# KiCad board sqrt_of_g_temp.kicad_pcb
title: √g; date: 2024-08-05; rev: 1.0.1; company: Stanford Student Space Initiative; note: RE: Flynn Dreilinger
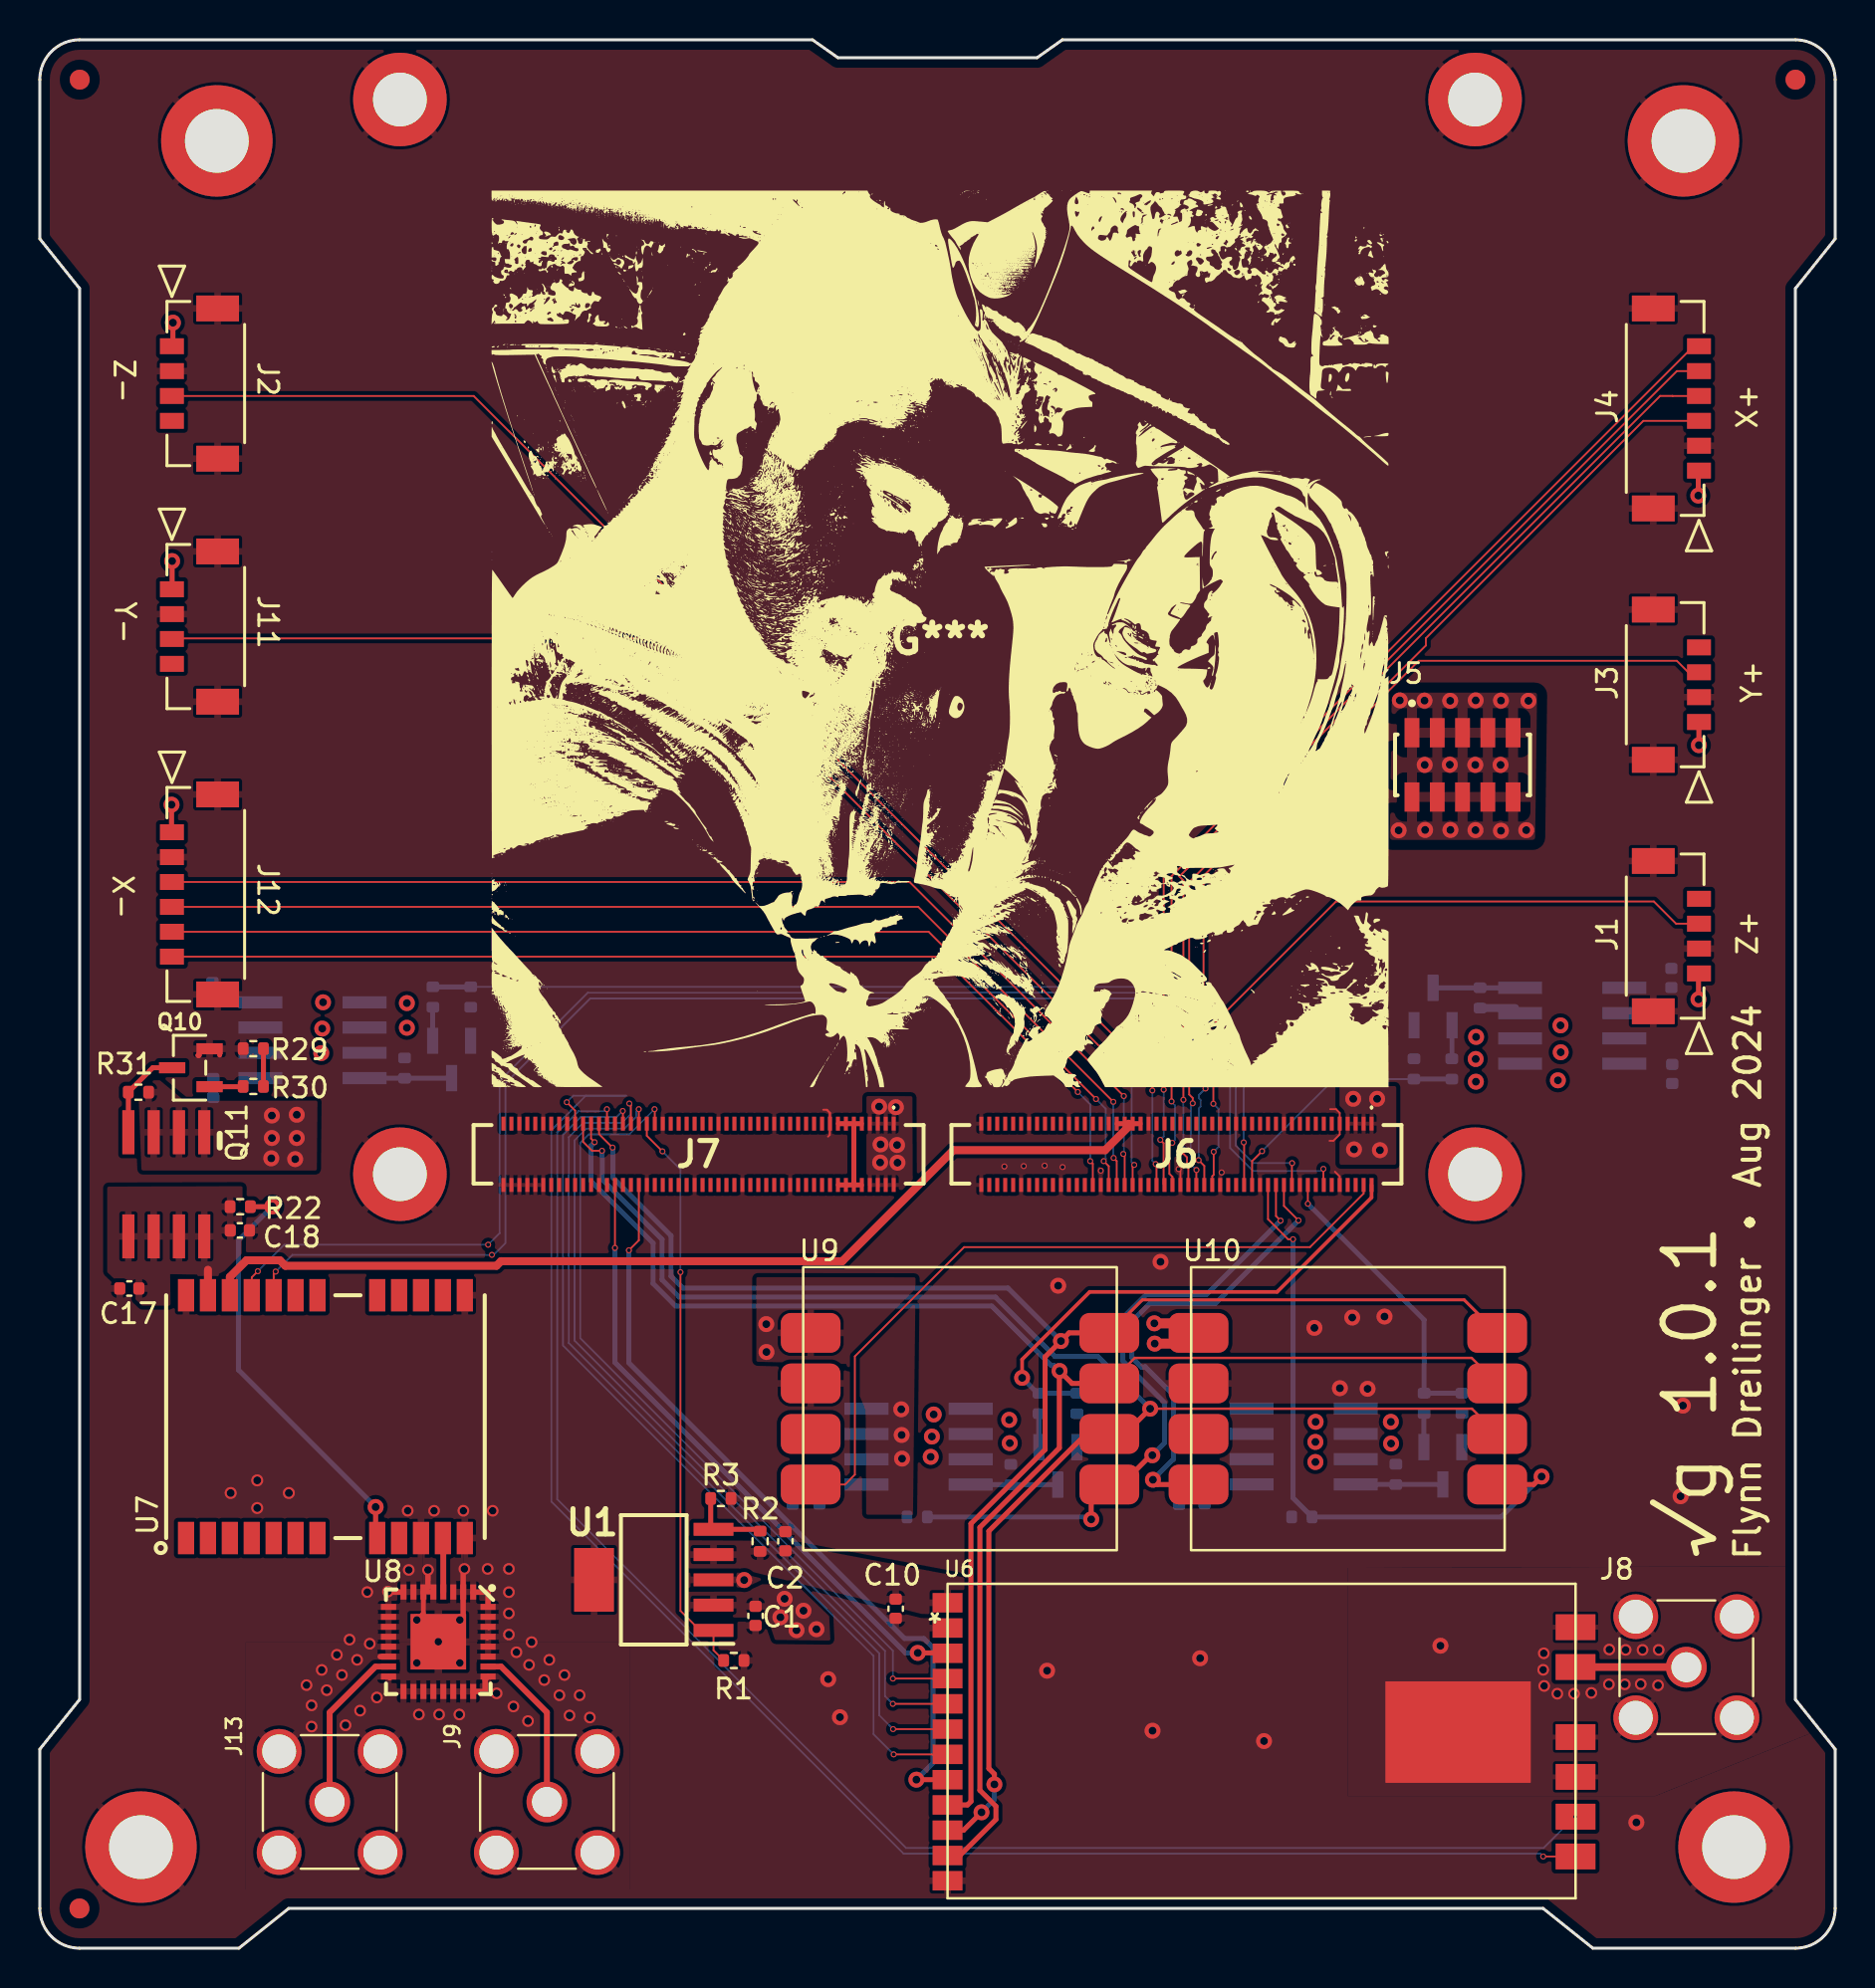
[diagram p0: board, top side]
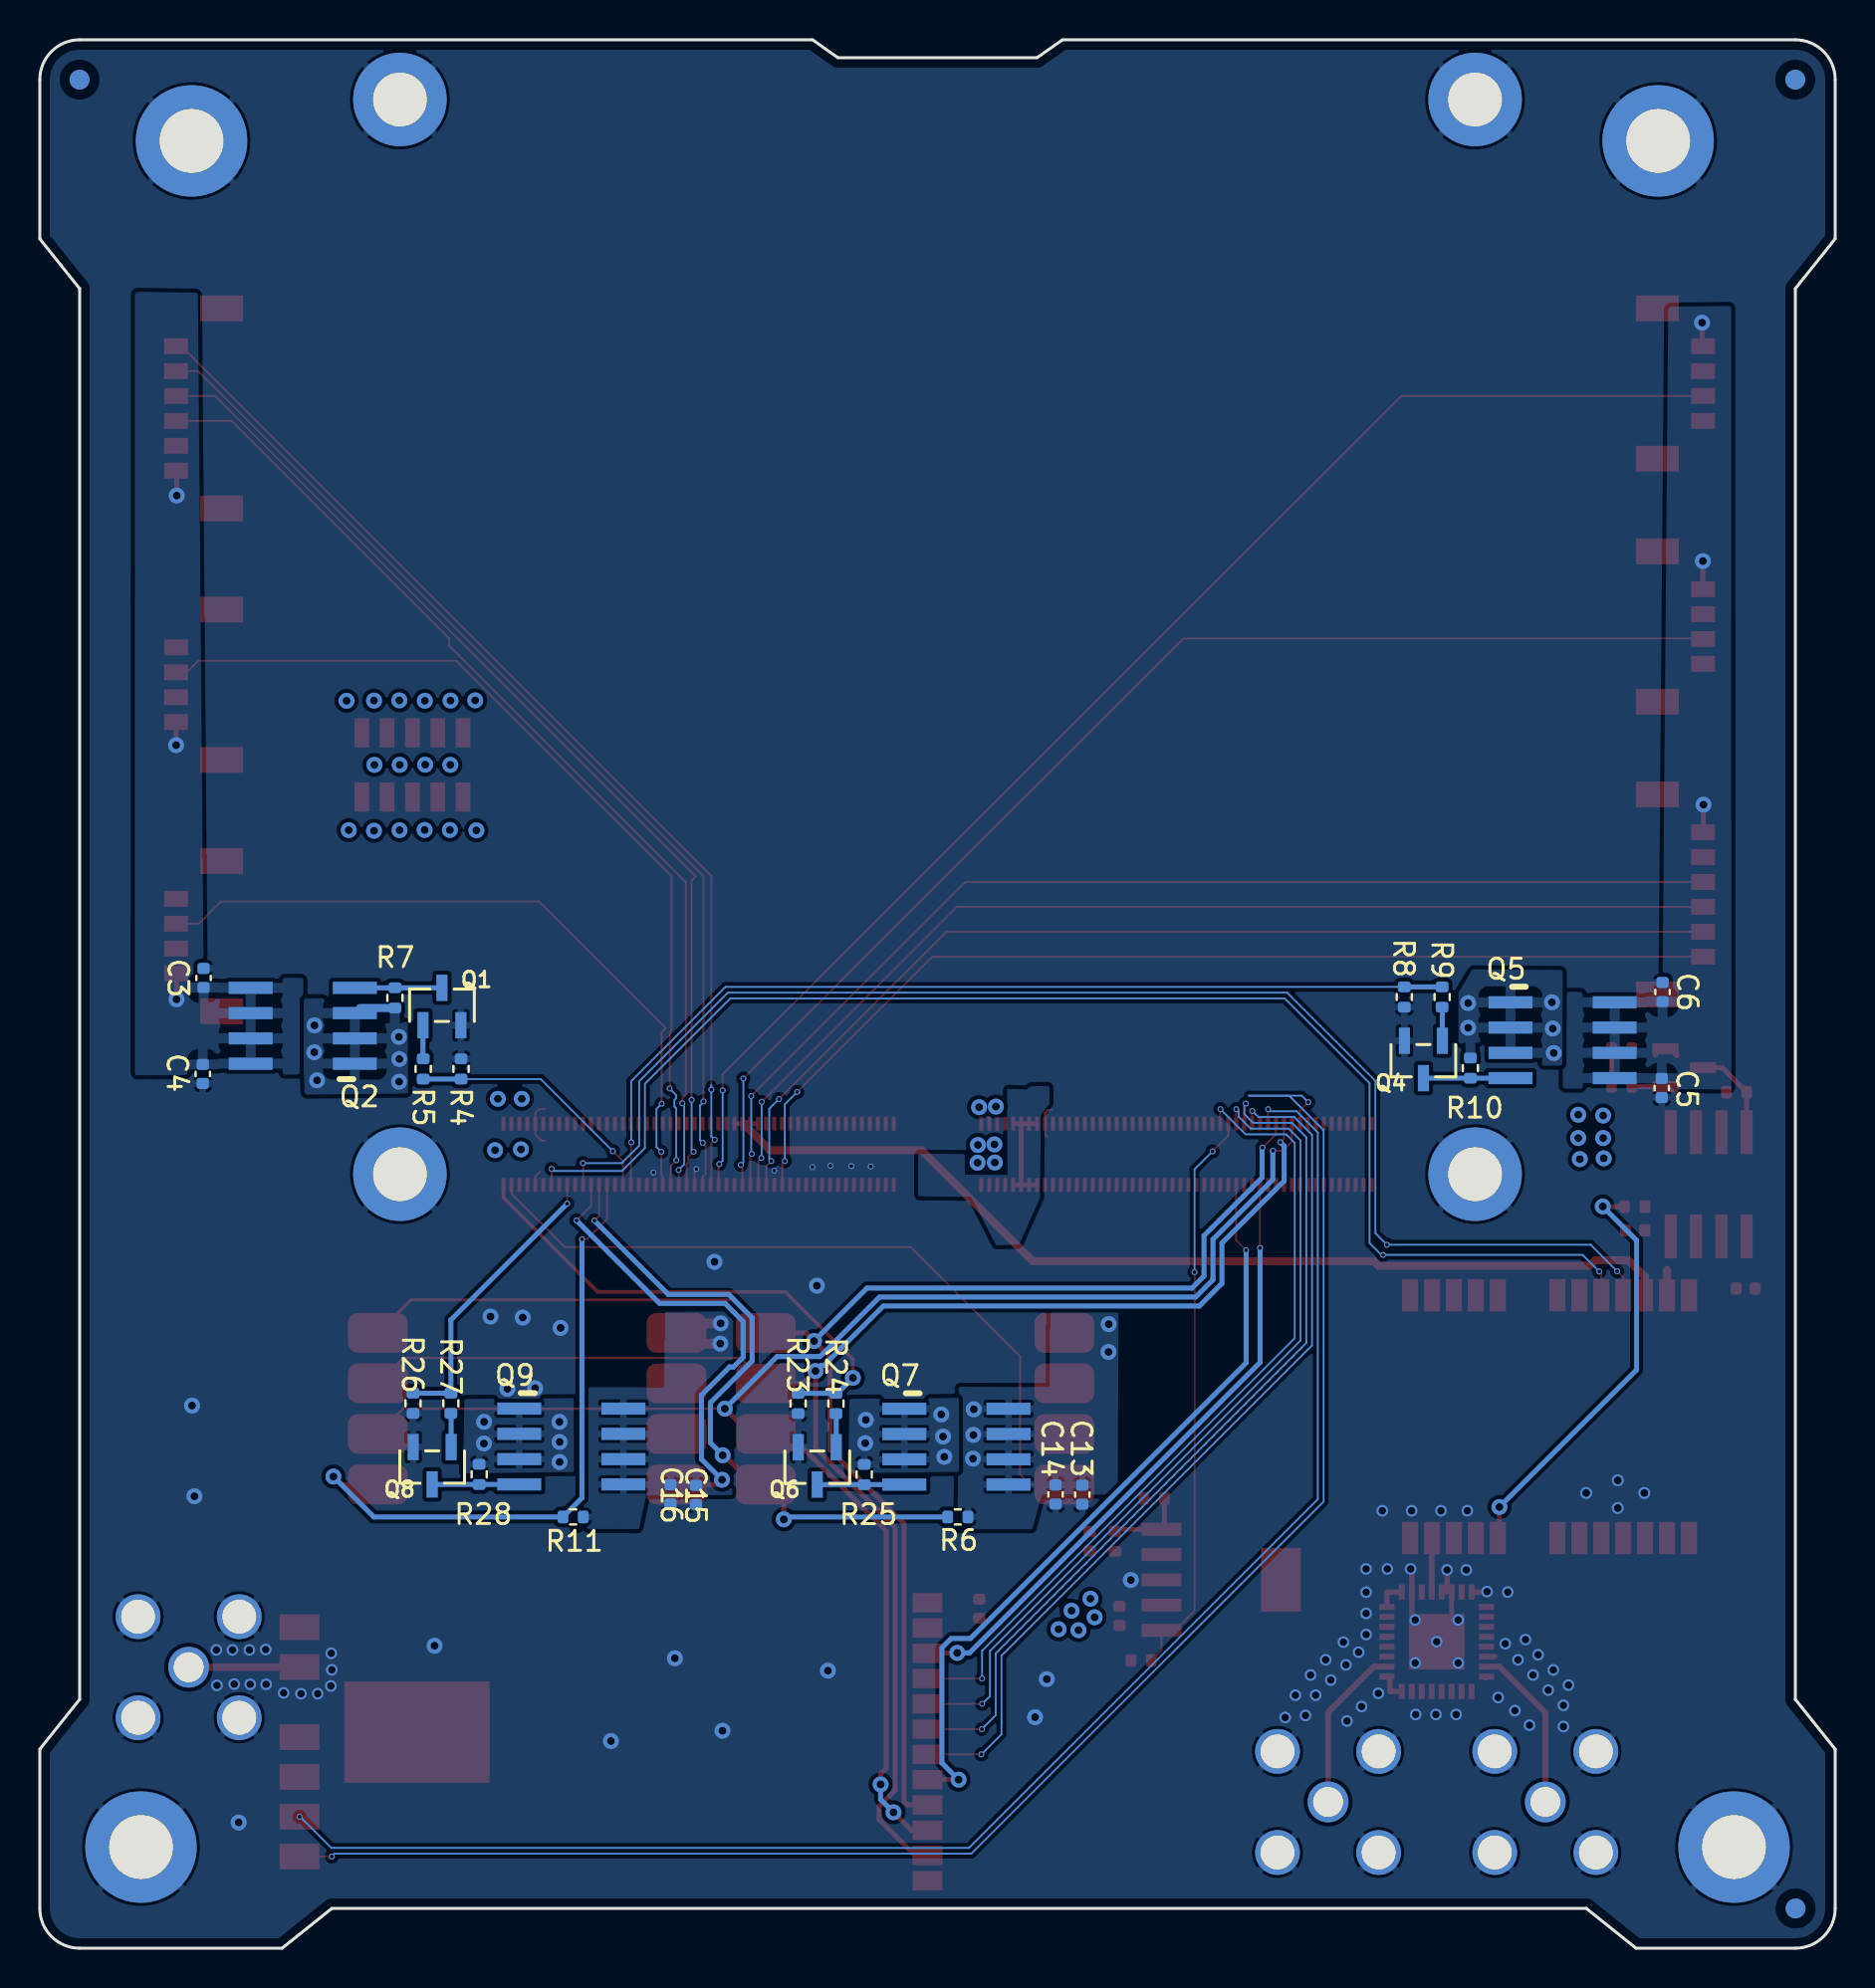
[diagram p1: board, bottom side, seen from below]

Outline 90.17 x 95.89 mm; copper layers: Top, In1.Cu, In2.Cu, Bottom. Coordinates in mm from the lower left corner of the outline.
Outline path: 0,93.89 0,85.89 2,83.39 2,12.5 0,10 0,2 arc(0.59,0.59) 2,0 10,0 12.5,2 75.5,2 78,0 88.17,0 arc(89.58,0.59) 90.17,2 90.17,10 88.17,12.5 88.17,83.39 90.17,85.89 90.17,93.89 arc(89.58,95.3) 88.17,95.89 51.36,95.89 50.08,94.99 40.08,94.99 38.81,95.89 2,95.89 arc(0.59,95.3) 0,93.89
Stack: Top 0.035mm / dielectric 0.1mm FR4 er 4.5 / In1.Cu 0.035mm / dielectric 1.24mm FR4 er 4.5 / In2.Cu 0.035mm / dielectric 0.1mm FR4 er 4.5 / Bottom 0.035mm

## Placement (name value [footprint] x y rotation side)
C1  10uF  [C_0402_1005Metric]  35.95 16.7 90 top
C2  10uF  [C_0402_1005Metric]  37.45 20.45 270 top
C3  10nF  [C_0402_1005Metric]  81.95 48.75 90 bottom
C4  4.7uF  [C_0402_1005Metric]  81.98 43.93 270 bottom
C5  10nF  [C_0402_1005Metric]  8.71 43.22 270 bottom
C6  4.7uF  [C_0402_1005Metric]  8.67 48.04 90 bottom
C10  0.1uF  [C_0402_1005Metric]  42.98 17.06 270 top
C13  10nF  [C_0402_1005Metric]  39.16 22.8 270 bottom
C14  4.7uF  [C_0402_1005Metric]  37.82 22.79 270 bottom
C15  10nF  [C_0402_1005Metric]  58.49 22.81 270 bottom
C16  4.7uF  [C_0402_1005Metric]  57.22 22.78 270 bottom
C17  10nF  [C_0402_1005Metric]  4.5 33.15 180 top
C18  4.7uF  [C_0402_1005Metric]  10.05 36.07 0 top
G***  LOGO  [octopus_and_cupcake]  45.22 65.79 0 top
H1  MountingHole_Pad  [MountingHole_2.7mm_M2.5_DIN965_Pad]  18.09 92.89 0 top
H2  MountingHole_Pad  [MountingHole_2.7mm_M2.5_DIN965_Pad]  72.08 92.89 0 top
H3  MountingHole_Pad  [MountingHole_2.7mm_M2.5_DIN965_Pad]  72.08 38.89 0 top
H4  MountingHole_Pad  [MountingHole_2.7mm_M2.5_DIN965_Pad]  18.09 38.89 0 top
H5  MountingHole_Pad  [MountingHole_3.2mm_M3_DIN965_Pad]  8.89 90.81 0 top
H6  MountingHole_Pad  [MountingHole_3.2mm_M3_DIN965_Pad]  82.55 90.81 0 top
H7  MountingHole_Pad  [MountingHole_3.2mm_M3_DIN965_Pad]  85.09 5.08 0 top
H8  MountingHole_Pad  [MountingHole_3.2mm_M3_DIN965_Pad]  5.08 5.08 0 top
J1  5055680431  [CON_5055680431]  83.33 48.98 90 top
J2  5055680431  [CON_5055680431]  6.64 80.49 270 top
J3  5055680431  [CON_5055680431]  83.33 61.61 90 top
J4  5055680631  [CON_5055680631]  83.33 74.24 90 top
J5  CLP-105-02-X-D  [SAMTEC_CLP-105-02-X-D]  71.45 59.46 180 top
J6  DF40HC_3.0_-100DS-0.4V_51_  [DF40HC30100DS04V51]  57.08 39.89 180 top
J7  DF40HC_3.0_-100DS-0.4V_51_  [DF40HC30100DS04V51]  33.08 39.89 180 top
J8  Amphenol_901-144  [SMA_Amphenol_901-144_Vertical]  82.7 14.12 0 top
J9  Amphenol_901-144  [SMA_Amphenol_901-144_Vertical]  25.47 7.35 90 top
J11  5055680431  [CON_5055680431]  6.64 68.28 270 top
J12  5055680631  [CON_5055680631]  6.64 56.07 270 top
J13  Amphenol_901-144  [SMA_Amphenol_901-144_Vertical]  14.56 7.35 90 top
Q1  IRLML2803  [SOT-23]  69.98 47.38 180 bottom
Q2  -  [NDS8434]  76.97 46.35 90 bottom
Q4  IRLML2803  [SOT-23]  20.68 44.59 0 bottom
Q5  -  [NDS8434]  13.69 45.62 270 bottom
Q6  IRLML2803  [SOT-23]  51.13 24.17 0 bottom
Q7  -  [NDS8434]  44.14 25.2 270 bottom
Q8  IRLML2803  [SOT-23]  70.47 24.18 0 bottom
Q9  -  [NDS8434]  63.48 25.21 270 bottom
Q10  IRLML2803  [SOT-23]  7.52 44.24 90 top
Q11  -  [NDS8434]  6.35 38.38 180 top
R1  10k  [R_0402_1005Metric]  34.86 14.46 0 top
R2  10k  [R_0402_1005Metric]  36.17 20.45 90 top
R3  3.3k  [R_0402_1005Metric]  34.2 22.6 0 top
R4  10K  [R_0402_1005Metric]  69.02 44.18 90 bottom
R5  4.7K  [R_0402_1005Metric]  70.92 44.18 270 bottom
R6  10k  [R_0402_1005Metric]  44.07 21.67 180 bottom
R7  3.3k  [R_0402_1005Metric]  72.33 47.75 90 bottom
R8  10K  [R_0402_1005Metric]  21.64 47.79 270 bottom
R9  4.7K  [R_0402_1005Metric]  19.74 47.79 90 bottom
R10  3.3k  [R_0402_1005Metric]  18.32 44.22 270 bottom
R11  10k  [R_0402_1005Metric]  63.39 21.67 180 bottom
R22  10K  [R_0402_1005Metric]  10.07 37.26 180 top
R23  10K  [R_0402_1005Metric]  52.08 27.37 270 bottom
R24  4.7K  [R_0402_1005Metric]  50.19 27.37 90 bottom
R25  3.3k  [R_0402_1005Metric]  48.77 23.8 270 bottom
R26  10K  [R_0402_1005Metric]  71.42 27.38 270 bottom
R27  4.7K  [R_0402_1005Metric]  69.52 27.38 90 bottom
R28  3.3k  [R_0402_1005Metric]  68.11 23.81 270 bottom
R29  10K  [R_0402_1005Metric]  10.72 45.2 180 top
R30  4.7K  [R_0402_1005Metric]  10.72 43.3 0 top
R31  3.3k  [R_0402_1005Metric]  4.95 43.01 180 top
REF**  -  [Fiducial_1mm_Mask2mm]  88.17 93.89 0 top
REF**#2  -  [Fiducial_1mm_Mask2mm]  2.01 93.89 0 top
REF**#3  -  [Fiducial_1mm_Mask2mm]  1.99 2 0 top
REF**#4  -  [Fiducial_1mm_Mask2mm]  88.17 93.89 180 bottom
REF**#5  -  [Fiducial_1mm_Mask2mm]  2.01 93.89 180 bottom
REF**#6  -  [Fiducial_1mm_Mask2mm]  1.99 2 180 bottom
U1  -  [TPS7A4501DCQT]  30.83 18.51 180 top
U6  LORA1281F27  [LORA128XF27]  77.13 3.11 180 top
U7  Orion B16  [S1216_24PIN_PACKAGE]  14.97 26.46 270 top
U8  EP2W+  [QFN32-5X5MM]  20.01 15.4 270 top
U9  ~  [RM3100CB]  46.22 27.11 0 top
U10  ~  [RM3100CB]  65.7 27.11 0 top

## Library data of the parts
C1 C2 = -: Description: 10uF +-20% 10V X5R; ki_fp_filters: C_*
C10 = -: Description: 1uF 0603 X7R
H1-H8 = -: DNI: DNI; ki_fp_filters: MountingHole*Pad*
J1 = -: Harness Name: Z+; ki_fp_filters: CON_5055680431
J2 = -: Harness Name: Z-; ki_fp_filters: CON_5055680431
J3 = -: Harness Name: Y+; ki_fp_filters: CON_5055680431
J4 = -: Harness Name: X+; ki_fp_filters: CON_5055680631
J5 = -: PARTREV: V; STANDARD: Manufacturer Recommendations; MAXIMUM_PACKAGE_HEIGHT: 2.37 mm; MANUFACTURER: SAMTEC
J6 J7 = -: Datasheet: https://www.hirose.com/product/download/?distributor=digikey&type=2d&lang=en&num=DF40HC(3.0)-100DS-0.4V(51; Height: 3.05; Manufacturer_Name: Hirose; Manufacturer_Part_Number: DF40HC(3.0)-100DS-0.4V(51)
J8 J9 J13 = -: Datasheet: https://www.amphenolrf.com/library/download/link/link_id/593640/parent/901-144/; Description: Amphenol RF SMA; Flight: 901-144; Manufacturer_Name: Amphenol; Manufacturer_Part_Number: 901-144; Proto: 901-144; ki_fp_filters: *BNC* *SMA* *SMB* *SMC* *Cinch* *LEMO*
J11 = -: Harness Name: Y-; ki_fp_filters: CON_5055680431
J12 = -: Harness Name: X-; ki_fp_filters: CON_5055680631
Q1 Q4 Q6 Q8 Q10 = -: Datasheet: https://www.infineon.com/dgdl/irlml2803pbf.pdf?fileId=5546d462533600a4015356682aff260f; Description: Single N-Channel MOSFET; Manufacturer_Name: Infineon Technologies; Proto: 2302
Q2 Q5 Q7 Q9 Q11 = -: Datasheet: https://www.onsemi.com/pdf/datasheet/nds8434-d.pdf; Description: P-Channel MOSFET; Manufacturer_Name: ON Semiconductor; Proto: DMP2022LSS-13
R1 R2 = -: Description: 10K 0603; ki_fp_filters: R_*
R3 = -: Description: 3.3K 0603; ki_fp_filters: R_*
R4 R8 R22 R23 R26 R29 = -: Description: 10K 0603
R5 R9 R24 R27 R30 = -: Description: 4.7K 0603
R6 R11 = -: Description: 10k 0603; DNI: Mixed Values
R7 R10 R25 R28 R31 = -: Description: 0603
U1 = -: Datasheet: http://docs-emea.rs-online.com/webdocs/130f/0900766b8130f550.pdf; Description: LOW-NOISE FAST-TRANSIENT-RESPONSE 1.5-A LOW-DROPOUT VOLTAGE%D REGULATORS; Manufacturer_Name: Texas Instruments; Height: 1.8; Arrow Price/Stock: https://www.arrow.com/en/products/tps7a4501dcqt/texas-instruments; Mouser Part Number: 595-TPS7A4501DCQT; Mouser Price/Stock: https://www.mouser.co.uk/ProductDetail/Texas-Instruments/TPS7A4501DCQT?qs=g0HfZ8wh75DefRsz0DtlDw%3D%3D
U6 = -: Datasheet: https://file.fomille.site/1260815565112336386/1650759420204007426.pdf; ki_fp_filters: QFN24_4X4_SEM QFN24_4X4_SEM-M QFN24_4X4_SEM-L
U7 = -: Manufacturer_Name: SkyTraq; Unit Price: 850.0; Unit Price (Proto): 6.80; Flight: B16
U8 = -: Description: RF Splitter DC-Pass; Manufacturer_Name: Mini Circuits; Unit Price: 24.92
